# Altium PCB m-BLANC.PcbDoc (part 13 of 15)
Units mm, origin at the board's own origin, x right, y up, seen from the top; angles counter-clockwise.
Board outline 100 x 100 mm, 6 copper layers (Top Layer, InLayer1 (GND), InLayer2 (Signal), InLayer3 (PWR), InLayer4 (GND), Bottom Layer), stack 1.634 mm thick; 322 components, 563 nets, 2865 pads, 1870 vias.
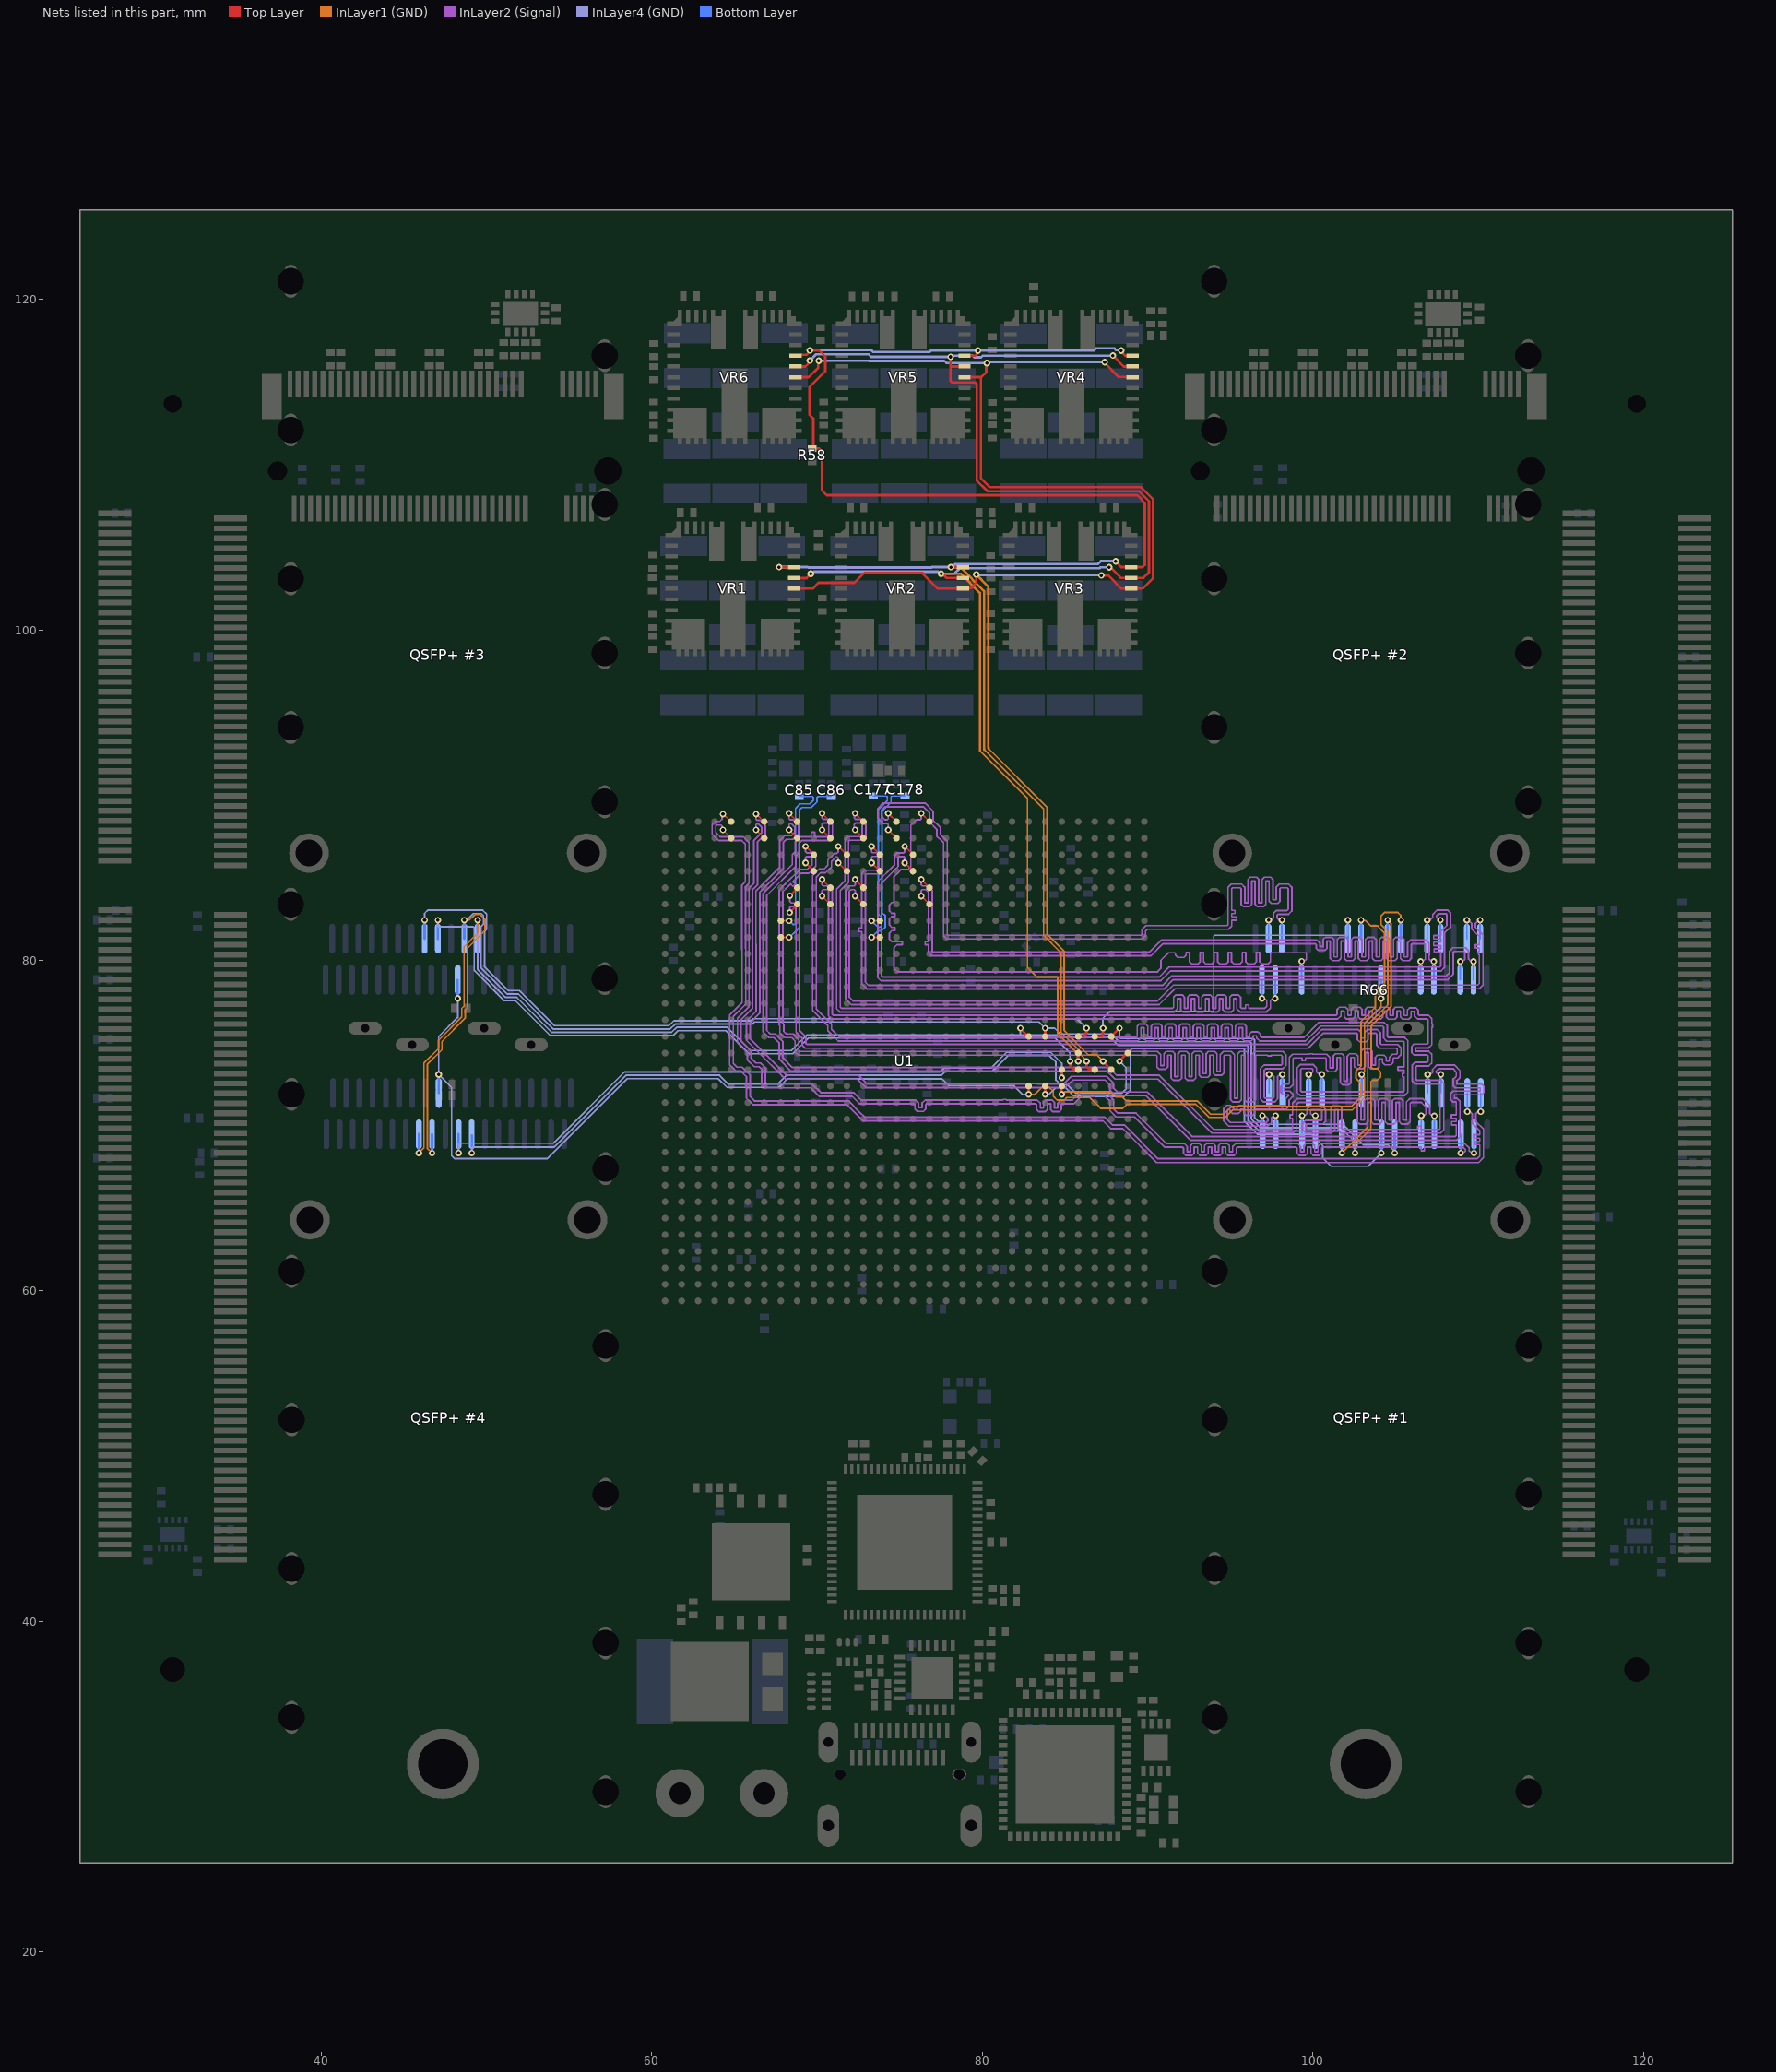
[diagram p17: the nets of this part, all layers, seen from the top]

## Via types
v1: diameter 0.4, hole 0.2, Top Layer to Bottom Layer, tented both sides, 1808 vias
v2: diameter 0.8, hole 0.4, Top Layer to Bottom Layer, tented both sides, 54 vias
v3: diameter 5, hole 3.2, Top Layer to Bottom Layer, 4 vias
v4: diameter 3.5, hole 3.2, Top Layer to Bottom Layer, 4 vias

## Nets (pads, with @x,y where several pads share a name; then routed paths per layer and width w, separated by ;. In a path a pad name is that pad's centre, name@x,y a point inside that pad or via, vN(x,y) a via of type N, cw(c..) or ccw(c..) an arc to the next point about the centre after c; other vN are vias at no path point) (continued)
PWR_ALT: R58.2 U1.D16 VR1.30 VR2.30 VR3.30 VR4.30 VR5.30 VR6.30 | length 114
  Top Layer w0.15: v1(67.7,103.8) VR1.30@68.6,103.8 ; VR6.30@68.775,116.593 68.825,116.643 69.36,116.643 69.514,116.797 69.514,116.87 v1(69.562,116.917) 70.128,116.917 70.499,116.547 70.499,115.654 69.55,114.705 69.55,113.012 69.769,112.792 69.769,111.051 R58.2@69.696,110.977 70.123,110.977 70.3,110.8 70.3,108.439 70.589,108.15 89.371,108.15 89.831,107.69 89.831,103.931 89.7,103.8 VR3.30@89,103.8 88.4,103.8 88.068,104.132 v1(88.068,104.152) ; v1(78.1,103.8) VR2.30@78.82,103.8 ; VR5.30@78.92,116.593 79.569,116.593 v1@79.69,116.714 ; v1(86.3,73.9) 86.3,73.577 86.477,73.4 U1.D16@86.8,73.4 ; v1(88.4,116.9) 88.4,116.855 88.664,116.591 VR4.30@88.922,116.591 ; VR4.30@89.059,116.633 VR4.30@89.1,116.593
  InLayer1 (GND) w0.1: 80.132,92.732 83.7,89.163 83.7,81.517 84.75,80.467 84.75,75.664 85.95,74.464 85.95,74.288 86.3,73.938 v1(86.3,73.9)
  InLayer1 (GND) w0.15: v1(78.1,103.8) 78.657,103.8 80.1,102.357 80.1,92.763 80.132,92.732
  InLayer4 (GND) w0.15: v1(67.7,103.8) 69.432,103.8 69.457,103.775 76.929,103.775 76.954,103.8 v1(78.1,103.8) 78.168,103.8 78.35,103.983 86.983,103.983 87.168,104.168 88.052,104.168 v1(88.068,104.152) ; v1@69.575,116.931 73.279,116.931 73.397,116.812 76.798,116.812 76.886,116.901 v1(79.738,116.901) 86.737,116.901 86.878,117.041 87.989,117.041 88.082,116.948 88.352,116.948 v1(88.4,116.9)
PWR_SCL: U1.C16 VR1.28 VR2.28 VR3.28 VR4.28 VR5.28 VR6.28 | length 102.8
  Top Layer w0.15: VR1.28@68.6,102.5 69.731,102.5 70.081,102.85 72.25,102.85 72.85,103.45 76.35,103.45 77.3,102.5 VR2.28@78.82,102.5 78.852,102.532 79.306,102.532 79.629,102.855 v1(79.629,103.358) ; VR6.28@68.7,115.293 69.493,115.293 70.061,115.861 70.061,116.249 v1(70.098,116.286) ; VR5.28@78.92,115.293 79.89,115.293 ; v1(80.275,116.151) 80.227,116.103 80.227,115.586 79.933,115.293 79.89,115.293 ; v1(87.2,103.3) 87.616,103.3 87.703,103.212 88.416,102.5 VR3.28@89,102.5 89.7,102.5 90.331,103.131 90.331,107.897 89.578,108.65 80.43,108.65 79.902,109.178 79.902,115.281 79.89,115.293 ; v1(87.3,73.9) U1.C16@87.8,73.4 ; v1(87.4,116.2) 87.4,116.157 88.252,115.305 89.087,115.305 VR4.28@89.1,115.293
  InLayer1 (GND) w0.1: 80.382,92.808 83.9,89.29 83.9,81.6 84.95,80.55 84.95,75.747 86.395,74.302 86.906,74.302 87.3,73.908 v1(87.3,73.9)
  InLayer1 (GND) w0.15: v1(79.629,103.358) 79.631,103.358 80.35,102.639 80.35,92.867 80.382,92.835 80.382,92.808
  InLayer4 (GND) w0.15: v1(70.098,116.286) 73.148,116.286 73.158,116.276 77.697,116.276 77.822,116.151 v1(80.275,116.151) 80.322,116.198 80.486,116.198 80.488,116.2 v1(87.4,116.2) ; v1(79.629,103.358) 79.658,103.329 87.171,103.329 v1(87.2,103.3)
  Bottom Layer w0.15: v1(79.629,103.358) v1@79.638,103.358
PWR_SDA: U1.E15 VR1.29 VR2.29 VR3.29 VR4.29 VR5.29 VR6.29 | length 104.6
  Top Layer w0.15: VR1.29@68.6,103.15 68.612,103.138 69.356,103.138 v1(69.614,103.395) ; VR6.29@68.775,115.943 69.286,115.943 69.515,116.173 69.515,116.247 v1(69.563,116.295) ; v1(77.5,103.4) 77.568,103.4 77.818,103.15 VR2.29@78.82,103.15 ; v1(78.075,116.526) 78.075,115.943 ; VR5.29@78.92,115.943 78.075,115.943 ; v1(85.8,73.9) U1.E15@85.8,74.4 ; v1(87.672,103.793) 87.731,103.793 88.374,103.15 VR3.29@89,103.15 89.75,103.15 90.081,103.481 90.081,107.793 89.474,108.4 80.3,108.4 79.652,109.048 79.652,114.885 79.564,114.972 78.163,114.972 78.075,115.06 78.075,115.943 ; v1(87.9,116.6) 88.557,115.943 VR4.29@89.1,115.943
  InLayer1 (GND) w0.1: 79.85,92.695 82.724,89.821 82.724,79.576 83.294,79.006 84.487,79.006 84.55,78.943 84.55,75.582 85.75,74.382 85.75,73.95 v1(85.8,73.9)
  InLayer1 (GND) w0.15: v1(77.5,103.4) 78.7,103.4 79.85,102.25 79.85,92.695
  InLayer4 (GND) w0.15: v1(69.563,116.295) 69.949,116.681 73.107,116.681 73.262,116.526 v1(78.075,116.526) ; v1@69.647,103.361 69.806,103.519 77.313,103.519 v1@77.432,103.4 ; v1(77.5,103.4) 78.3,103.4 78.633,103.733 87.086,103.733 87.147,103.793 v1(87.672,103.793) v1@87.689,103.777 ; v1@78.1,116.587 79.413,116.587 79.507,116.493 79.917,116.493 80.025,116.6 v1(87.9,116.6)
Q0_CLK_N: C85.2 U1.AC7 | length 10.3
  Top Layer w0.1: U1.AC7@67.8,82.4 v1@68.34,82.4
  Bottom Layer w0.1: v1(68.3,82.4) 68.335,82.4 68.559,82.176 68.641,82.176 68.7,82.235 68.7,89.193 68.982,89.475 69.554,89.475 69.772,89.694 69.772,89.865 69.714,89.923 C85.2@68.914,89.923
Q0_CLK_P: C86.2 U1.AC8 | length 10.9
  Top Layer w0.1: U1.AC8@67.8,81.4 v1@68.34,81.4
  Bottom Layer w0.1: v1(68.3,81.4) 68.335,81.4 68.69,81.755 68.925,81.99 68.925,82.493 68.925,89.1 69.075,89.25 69.647,89.25 69.997,89.6 69.997,89.865 70.056,89.923 C86.2@70.855,89.923
Q1_CLK_N: C177.2 U1.U7 | length 10.3
  Top Layer w0.1: v1(73.3,82.4) U1.U7@73.8,82.4
  Bottom Layer w0.1: v1(73.3,82.4) 73.688,82.013 73.8,82.013 73.9,82.113 73.9,82.6 73.7,82.8 73.7,89.118 74.247,89.665 74.247,89.888 74.189,89.946 C177.2@73.389,89.946
Q1_CLK_P: C178.2 U1.U8 | length 10.6
  Top Layer w0.1: v1(73.3,81.4) U1.U8@73.8,81.4
  Bottom Layer w0.1: v1(73.3,81.4) 73.688,81.787 73.893,81.787 74.125,82.019 74.125,82.693 73.925,82.893 73.925,89.025 74.472,89.572 74.472,89.888 74.531,89.946 75.324,89.946 C178.2@75.328,89.95
Q1_RST: "QSFP+ #1.9" U1.G17 | length 31.2
  Top Layer w0.15: U1.G17@83.8,72.4 83.806,72.394 83.806,71.957 v1@83.813,71.951
  InLayer4 (GND) w0.1: v1(83.8,71.9) 83.823,71.923 84.072,71.923 84.434,72.286 85.041,72.286 85.552,71.775 88.57,71.775 88.95,72.155 88.95,74.55 89.074,74.674 95.805,74.674 95.864,74.616 95.864,70.261 96.642,69.483 99.917,69.483 100.6,68.8 100.6,68.05 101.1,67.55 103.35,67.55 v1(104.15,68.35)
  Bottom Layer w0.15: v1(104.15,68.35) 104.15,69.48
Q1_SEL: "QSFP+ #1.8" U1.C14 | length 24.8
  Top Layer w0.15: U1.C14@87.8,75.4 v1(88.3,75.9)
  InLayer4 (GND) w0.1: v1(88.3,75.9) 88.3,75.333 88.359,75.274 96.408,75.274 96.467,75.216 96.467,70.507 96.89,70.083 101.817,70.083 103.062,68.838 104.562,68.838 104.95,68.45 v1(104.95,68.35)
  Bottom Layer w0.15: v1(104.95,68.35) 104.95,69.48
Q2_RST: "QSFP+ #2.9" U1.F17 | length 33.4
  Top Layer w0.15: v1(84.8,71.9) U1.F17@84.8,72.4
  InLayer1 (GND) w0.1: v1(84.8,71.9) 84.859,71.9 85.009,72.049 87.776,72.049 88.075,71.75 88.445,71.75 88.695,71.5 93,71.5 93.8,70.7 94.618,70.7 95.073,71.155 102.304,71.155 102.919,71.77 102.919,72.551 102.6,72.87 102.6,73.279 102.917,73.595 102.917,76.3 103.775,77.158 103.775,77.845 104.03,78.1 104.241,78.1 104.334,78.193 104.334,81.674 103.918,82.09 103.51,82.09 103.186,82.414 102.942,82.414 v1(102.917,82.44)
  Bottom Layer w0.15: v1(102.917,82.44) 102.918,82.438 102.918,81.322 102.92,81.32
Q2_SEL: "QSFP+ #2.8" U1.D14 | length 23
  Top Layer w0.15: U1.D14@86.8,75.4 87.204,75.4 87.291,75.488 v1@87.291,75.891
  InLayer4 (GND) w0.1: v1@87.291,75.937 87.291,76.491 87.7,76.9 93.941,76.9 94,76.959 94,81.464 94.059,81.523 102.064,81.523 102.123,81.581 v1(102.123,82.44)
  Bottom Layer w0.15: 102.12,81.32 102.121,81.321 102.121,82.439 v1(102.123,82.44)
  other v1: 87.3,75.9
Q3_RST: "QSFP+ #3.9" U1.E16 | length 46.8
  Top Layer w0.15: v1(85.3,73.9) 85.323,73.877 85.323,73.622 85.522,73.423 85.777,73.423 U1.E16@85.8,73.4
  InLayer4 (GND) w0.1: v1(47.05,82.44) 47.05,82.099 47.109,82.04 49.185,82.04 49.244,81.981 49.244,79.395 51.07,77.569 51.745,77.569 53.864,75.45 61.276,75.45 61.576,75.75 64.49,75.75 65.89,74.35 68.528,74.35 68.85,74.672 68.85,74.673 69.477,75.3 84.4,75.3 85.3,74.4 v1(85.3,73.9)
  Bottom Layer w0.15: 47.05,81.32 v1(47.05,82.44)
Q3_SEL: "QSFP+ #3.8" U1.E14 | length 47.9
  Top Layer w0.15: U1.E14@85.8,75.4 86.109,75.4 86.291,75.582 v1@86.291,75.9
  InLayer4 (GND) w0.1: v1(46.25,82.44) 46.25,82.85 46.437,83.037 49.764,83.037 50,82.801 50,81.89 49.869,81.759 49.869,79.618 51.309,78.178 51.984,78.178 54.112,76.05 61.027,76.05 61.327,76.35 65.999,76.35 66.122,76.473 85.722,76.473 86.291,75.904 v1@86.291,75.9
  Bottom Layer w0.15: 46.25,81.32 v1(46.25,82.44)
  other v1: 86.3,75.9
Q4_RST: "QSFP+ #4.9" U1.F16 | length 42.1
  Top Layer w0.15: v1(84.8,72.9) U1.F16@84.8,73.4
  InLayer4 (GND) w0.1: v1(48.3,68.35) 48.3,68.882 48.359,68.941 54.041,68.941 58.35,73.25 77.433,73.25 77.668,73.485 80.517,73.485 81.482,74.45 84.133,74.45 84.8,73.783 v1(84.8,72.9)
  Bottom Layer w0.15: v1(48.3,68.35) 48.3,69.48
Q4_SEL: "QSFP+ #4.8" U1.B15 | length 47.9
  Top Layer w0.15: v1@88.301,73.901 88.301,73.931 88.769,74.399 U1.B15@88.799,74.399
  InLayer4 (GND) w0.1: v1(49.1,68.35) 49.104,68.354 49.104,68.641 49.162,68.7 54.083,68.7 58.433,73.05 64.1,73.05 64.632,72.518 67.596,72.518 68.127,73.048 77.514,73.048 77.751,73.285 80.6,73.285 81.565,74.25 84.05,74.25 84.45,73.85 84.45,72.755 84.719,72.486 85.124,72.486 85.635,71.975 88.442,71.975 88.697,72.23 88.697,73.503 v1(88.3,73.9)
  Bottom Layer w0.15: v1(49.1,68.35) 49.1,69.4
Q_INT: "QSFP+ #1.28" "QSFP+ #2.28" "QSFP+ #3.28" "QSFP+ #4.28" R66.2 U1.H17 | length 82.4
  Top Layer w0.15: v1(82.8,71.9) U1.H17@82.8,72.4 ; R66.2@104.122,78.193 104.124,78.191 v1(104.125,77.7) v1(104.125,77.7)
  InLayer1 (GND) w0.1: v1(82.8,71.9) 83.165,71.9 83.588,72.323 84.05,72.323 84.287,72.086 84.287,71.782 84.519,71.55 84.945,71.55 85.095,71.7 86.505,71.7 87.155,71.05 87.545,71.05 88.498,71.05 88.748,71.3 92.911,71.3 93.711,70.5 94.7,70.5 95.151,70.951 96.795,70.951 96.799,70.955 100.295,70.955 100.299,70.951 102.382,70.951 103.119,71.687 103.119,72.891 102.95,73.06 102.95,73.136 103.122,73.309 103.122,76.196 104.125,77.198 v1(104.125,77.7)
  InLayer4 (GND) w0.1: v1(48.25,77.7) 48.25,76.55 47.1,75.4 v1(47.1,73.1) 47.883,72.317 47.883,68.194 48.077,68 53.666,68 58.516,72.85 64.017,72.85 64.55,72.318 67.679,72.318 68.196,72.835 77.565,72.835 77.969,72.431 81.895,72.431 82.425,71.9 v1(82.8,71.9)
  Bottom Layer w0.15: 47.1,71.98 v1(47.1,73.1) ; v1(48.25,77.7) 48.25,78.82 ; 102.95,71.98 v1(102.95,73.1) ; 104.12,78.82 104.122,78.818 104.122,77.702 v1(104.125,77.7)
Q_SCL: "QSFP+ #1.11" "QSFP+ #2.11" "QSFP+ #3.11" "QSFP+ #4.11" U1.G14 | length 103.6
  Top Layer w0.15: U1.G14@83.8,75.4 v1(83.8,75.9)
  InLayer1 (GND) w0.1: v1(46.7,68.35) 46.41,68.64 46.41,73.71 47.293,74.593 47.293,75.093 48.7,76.5 48.7,77 48.831,77.131 48.831,80.731 49.9,81.8 49.9,82.485 49.595,82.79 49.305,82.79 48.955,82.44 v1(48.65,82.44) ; v1(102.55,68.35) 102.55,68.851 103.519,69.82 103.519,72.659 103.61,72.75 103.895,72.75 104.1,72.955 104.1,73.245 103.895,73.45 103.628,73.45 103.522,73.555 103.522,76.023 104.734,77.235 104.734,82.226 104.526,82.434 v1(104.526,82.44)
  InLayer4 (GND) w0.1: v1(48.65,82.44) 48.707,82.497 48.866,82.497 49.201,82.832 49.668,82.832 49.8,82.7 49.8,82.184 49.669,82.053 49.669,79.535 51.235,77.969 51.91,77.969 54.029,75.85 61.11,75.85 61.41,76.15 66.082,76.15 66.205,76.273 83.427,76.273 v1(83.8,75.9) 84.366,75.9 84.716,75.55 87.8,75.55 88.276,75.074 96.208,75.074 96.267,75.016 96.267,70.424 96.808,69.883 101.676,69.883 102.55,69.009 v1(102.55,68.35)
  Bottom Layer w0.15: v1(46.7,68.35) 46.7,69.48 ; 48.65,81.32 v1(48.65,82.44) ; v1(102.55,68.35) 102.55,69.48 ; 104.52,81.32 104.523,81.323 104.523,82.437 v1(104.526,82.44)
Q_SDA: "QSFP+ #1.12" "QSFP+ #2.12" "QSFP+ #3.12" "QSFP+ #4.12" U1.H14 | length 102.7
  Top Layer w0.15: v1@82.301,75.889 82.301,75.868 U1.H14@82.77,75.4
  InLayer1 (GND) w0.1: v1(45.9,68.35) 46.21,68.66 46.21,73.793 47.086,74.669 47.086,75.169 48.5,76.583 48.5,77.1 48.631,77.231 48.631,80.831 49.45,81.65 v1(49.45,82.44) ; v1(101.75,68.35) 102.35,68.95 103.319,69.919 103.319,73.011 103.322,73.014 103.322,76.106 104.534,77.318 104.534,81.757 104.126,82.165 104.126,82.691 104.334,82.899 105.144,82.899 105.313,82.731 105.313,82.444 v1(105.316,82.44)
  InLayer4 (GND) w0.1: v1(49.45,82.44) 49.451,82.439 49.451,79.47 51.153,77.769 51.828,77.769 53.947,75.65 61.193,75.65 61.493,75.95 64.572,75.95 65.972,74.55 68.445,74.55 68.65,74.755 68.65,74.756 69.394,75.5 82.301,75.5 ; v1@82.301,75.889 82.301,75.5 ; v1(101.75,68.35) 101.75,69.526 101.593,69.683 96.725,69.683 96.064,70.344 96.064,74.816 96.005,74.874 88.193,74.874 87.717,75.35 84.633,75.35 84.483,75.5 82.301,75.5
  Bottom Layer w0.15: v1(45.9,68.35) 45.9,69.48 ; 49.45,81.32 v1(49.45,82.44) ; v1(101.75,68.35) 101.75,69.48 ; v1(105.316,82.44) 105.318,82.438 105.318,81.322 105.32,81.32
  other v1: 82.3,75.9
QSFP1_RX1_N: "QSFP+ #1.18" U1.AB5 | length 77.1
  Top Layer w0.1: v1(68.349,83.914) 68.349,83.931 68.8,84.383 U1.AB5@68.8,84.4
  InLayer2 (Signal) w0.1: v1(68.349,83.914) 68.349,83.564 68.433,83.479 68.76,83.479 68.95,83.289 68.95,75.756 68.951,75.755 69.318,75.388 69.318,74.977 69.376,74.919 99.636,74.919 100.542,75.825 102.217,75.825 102.733,75.825 102.924,75.635 102.924,75.3 103.124,75.3 103.124,75.635 103.314,75.825 103.523,75.825 103.893,75.825 104.083,75.635 104.083,74.971 104.142,74.913 105.135,74.913 105.325,74.722 105.325,74.29 105.154,74.12 105.135,74.1 105.038,74.1 104.917,74.1 104.859,74.041 104.859,73.816 104.727,73.684 104.34,73.684 104.209,73.816 104.209,74.05 104.009,74.05 104.009,73.582 103.877,73.45 103.49,73.45 103.359,73.582 103.359,74.425 103.159,74.425 103.159,73.582 103.027,73.45 102.64,73.45 102.509,73.582 102.509,74.125 102.309,74.125 102.309,72.606 102.177,72.474 101.79,72.474 101.659,72.606 101.659,74.125 101.459,74.125 101.459,73.402 101.327,73.27 100.94,73.27 100.809,73.402 100.809,74.041 100.75,74.1 100.209,74.1 99.671,74.1 99.55,74.1 99.55,73.932 99.35,73.932 99.35,74.1 99.1,74.1 98.859,74.1 98.8,74.041 98.8,73.117 98.8,72.483 98.61,72.293 98.288,72.293 98.288,72.093 98.61,72.093 98.8,71.902 98.8,71.782 98.569,71.551 98.569,71.365 98.569,71.196 98.379,71.005 96.66,71.005 96.544,71.005 96.485,70.947 96.485,70.757 96.354,70.625 95.967,70.625 95.835,70.757 95.835,71.005 95.635,71.005 95.635,70.879 95.504,70.747 95.117,70.747 94.985,70.879 94.985,70.947 94.927,71.005 94.888,71.005 94.829,70.947 94.829,70.394 94.829,70.371 95,70.2 97.175,70.2 97.275,70.3 97.275,70.446 97.173,70.548 97.002,70.548 v1(96.944,70.605)
  Bottom Layer w0.1: v1(96.944,70.605) 96.947,70.602 96.947,69.483 96.95,69.48
QSFP1_RX1_P: "QSFP+ #1.17" U1.AB6 | length 77.1
  Top Layer w0.1: v1(68.34,82.9) 68.8,83.36 U1.AB6@68.8,83.4
  InLayer2 (Signal) w0.1: v1(68.34,82.9) 68.34,83.195 68.399,83.254 68.666,83.254 68.725,83.195 68.725,75.663 68.726,75.662 69.093,75.295 69.093,74.884 69.283,74.694 99.729,74.694 100.635,75.6 102.217,75.6 102.64,75.6 102.699,75.541 102.699,75.206 102.83,75.075 103.217,75.075 103.349,75.206 103.349,75.541 103.407,75.6 103.523,75.6 103.799,75.6 103.858,75.541 103.858,74.878 104.037,74.7 104.048,74.688 105.041,74.688 105.1,74.629 105.1,74.384 105.041,74.325 105.038,74.325 104.824,74.325 104.634,74.135 104.634,73.909 104.434,73.909 104.434,74.143 104.302,74.275 103.915,74.275 103.784,74.143 103.784,73.675 103.584,73.675 103.584,74.518 103.452,74.65 103.065,74.65 102.934,74.518 102.934,73.675 102.734,73.675 102.734,74.218 102.602,74.35 102.215,74.35 102.084,74.218 102.084,72.699 101.884,72.699 101.884,74.218 101.752,74.35 101.365,74.35 101.234,74.218 101.234,73.495 101.034,73.495 101.034,74.135 100.843,74.325 100.209,74.325 99.986,74.325 99.986,74.351 99.786,74.351 99.786,74.325 99.736,74.325 98.765,74.325 98.575,74.135 98.575,73.117 98.575,72.576 98.516,72.518 98.194,72.518 98.063,72.386 98.063,72 98.194,71.868 98.516,71.868 98.542,71.842 98.344,71.644 98.344,71.365 98.344,71.289 98.286,71.23 96.66,71.23 96.451,71.23 96.26,71.04 96.26,70.85 96.06,70.85 96.06,71.099 95.929,71.23 95.542,71.23 95.41,71.099 95.41,70.972 95.21,70.972 95.21,71.04 95.02,71.23 94.795,71.23 94.744,71.18 94.604,71.04 94.604,70.278 94.907,69.975 97.268,69.975 97.5,70.207 97.5,70.489 97.559,70.548 97.687,70.548 v1(97.744,70.605)
  Bottom Layer w0.1: v1(97.744,70.605) 97.747,70.602 97.747,69.483 97.75,69.48
QSFP1_RX2_N: "QSFP+ #1.21" U1.AA3 | length 75.4
  Top Layer w0.1: v1(69.3,86.9) U1.AA3@69.8,86.4
  InLayer2 (Signal) w0.1: v1(69.3,86.9) 69.3,86.571 69.359,86.513 69.735,86.513 69.925,86.322 69.925,85.707 69.493,85.275 69.041,85.275 68.836,85.07 68.537,84.771 68.685,84.623 68.543,84.481 68.395,84.629 68.219,84.452 67.929,84.163 67.929,76.185 67.975,76.139 67.975,75.705 68.13,75.55 68.555,75.55 68.893,75.212 68.893,74.568 68.967,74.494 89.684,74.494 90.602,74.494 90.793,74.303 90.793,73.639 90.993,73.639 90.993,74.362 91.124,74.494 91.511,74.494 91.643,74.362 91.643,72.978 91.843,72.978 91.843,74.362 91.974,74.494 92.361,74.494 92.493,74.362 92.493,72.978 92.693,72.978 92.693,74.362 92.824,74.494 93.211,74.494 93.343,74.362 93.343,73.155 93.543,73.155 93.543,74.362 93.674,74.494 94.061,74.494 94.193,74.362 94.193,73.275 94.393,73.275 94.393,74.303 94.583,74.494 94.792,74.494 94.806,74.494 95.06,74.494 95.251,74.303 95.251,71.655 95.451,71.655 95.451,74.362 95.582,74.494 95.969,74.494 96.101,74.362 96.101,71.655 96.301,71.655 96.301,74.303 96.491,74.494 96.7,74.494 98.176,74.494 98.367,74.303 98.367,73.64 98.176,73.45 97.15,73.45 97.059,73.359 97.059,71.714 97.118,71.655 97.579,71.655 97.638,71.714 97.638,72.975 97.57,73.043 97.407,73.043 v1(97.35,73.1)
  Bottom Layer w0.1: 97.35,71.98 v1(97.35,73.1)
QSFP1_RX2_P: "QSFP+ #1.22" U1.AA4 | length 75.4
  Top Layer w0.1: v1(69.3,85.9) U1.AA4@69.8,85.4
  InLayer2 (Signal) w0.1: v1(69.3,85.9) 69.3,86.229 69.359,86.288 69.641,86.288 69.7,86.229 69.7,85.8 69.4,85.5 68.948,85.5 68.059,84.612 67.704,84.256 67.704,76.092 67.75,76.045 67.75,75.612 68.037,75.325 68.462,75.325 68.668,75.119 68.668,74.475 68.874,74.269 89.684,74.269 90.509,74.269 90.568,74.21 90.568,73.546 90.699,73.414 91.086,73.414 91.218,73.546 91.218,74.269 91.418,74.269 91.418,72.885 91.549,72.753 91.936,72.753 92.068,72.885 92.068,74.269 92.268,74.269 92.268,72.885 92.399,72.753 92.786,72.753 92.918,72.885 92.918,74.269 93.118,74.269 93.118,73.061 93.249,72.93 93.636,72.93 93.768,73.061 93.768,74.269 93.968,74.269 93.968,73.182 94.099,73.05 94.486,73.05 94.618,73.182 94.618,74.21 94.676,74.269 94.792,74.269 94.806,74.269 94.967,74.269 95.026,74.21 95.026,71.562 95.157,71.43 95.544,71.43 95.676,71.562 95.676,74.269 95.876,74.269 95.876,71.562 96.007,71.43 96.394,71.43 96.526,71.562 96.526,74.21 96.584,74.269 96.7,74.269 97.019,74.269 97.269,74.269 97.269,74.235 97.469,74.235 97.469,74.269 97.704,74.269 98.083,74.269 98.142,74.21 98.142,73.734 98.083,73.675 97.057,73.675 96.834,73.452 96.834,71.621 97.024,71.43 97.672,71.43 97.863,71.621 97.863,72.975 97.93,73.043 98.093,73.043 v1(98.15,73.1)
  Bottom Layer w0.1: 98.15,71.98 v1(98.15,73.1)
QSFP1_RX3_N: "QSFP+ #1.14" U1.Y5 | length 77.5
  Top Layer w0.1: v1(70.3,84.9) U1.Y5@70.8,84.4
  InLayer2 (Signal) w0.1: v1(70.3,84.9) 70.3,84.571 70.359,84.513 70.725,84.513 70.915,84.322 70.915,76.742 70.974,76.684 101.296,76.684 101.411,76.684 101.47,76.742 101.47,77.043 101.602,77.174 101.988,77.174 102.12,77.043 102.12,76.677 102.32,76.677 102.32,77.043 102.452,77.174 102.838,77.174 102.97,77.043 102.97,76.677 103.17,76.677 103.17,77.043 103.302,77.174 103.688,77.174 103.82,77.043 103.82,76.677 104.02,76.677 104.02,77.043 104.152,77.174 104.538,77.174 104.67,77.043 104.67,76.675 104.87,76.675 104.87,77.043 105.002,77.174 105.388,77.174 105.52,77.043 105.52,76.675 105.72,76.675 105.72,76.996 105.852,77.128 106.238,77.128 106.37,76.996 106.37,76.742 106.429,76.684 106.601,76.684 107.002,76.684 107.201,76.485 107.201,76.2 107.201,76.15 107.232,76.15 107.232,75.95 107.201,75.95 107.201,75.781 107.201,75.403 107.201,74.899 107.011,74.709 106.206,74.709 106.206,74.509 107.011,74.509 107.201,74.319 107.201,74.11 107.201,73.807 107.011,73.617 106.287,73.617 106.229,73.558 106.229,72.806 106.287,72.747 107.735,72.747 107.925,72.557 107.925,69.74 107.735,69.55 102.102,69.55 101.711,69.55 101.521,69.74 101.521,70.978 101.321,70.978 101.321,69.74 101.13,69.55 100.921,69.55 99.565,69.55 99.375,69.74 99.375,70.135 99.565,70.325 100.507,70.325 100.535,70.353 100.535,70.91 100.477,70.969 99.926,70.969 99.863,70.906 99.863,70.73 99.93,70.662 100.093,70.662 v1(100.15,70.605)